# Altium PCB HIL_RIG_REV_1_2.PcbDoc (part 3 of 14)
Units mil, origin at the board's own origin, x right, y up, seen from the top; angles counter-clockwise.
Board outline 9845 x 7590 mil, 6 copper layers (Top Layer, Int1 (GND), Int2 (PWR), Int3 (Sign), Int4 (GND), Bottom Layer), stack 60.566 mil thick; 1465 components, 731 nets, 4058 pads, 3944 vias.
Unrouted connection lines stored in the file: 1754.
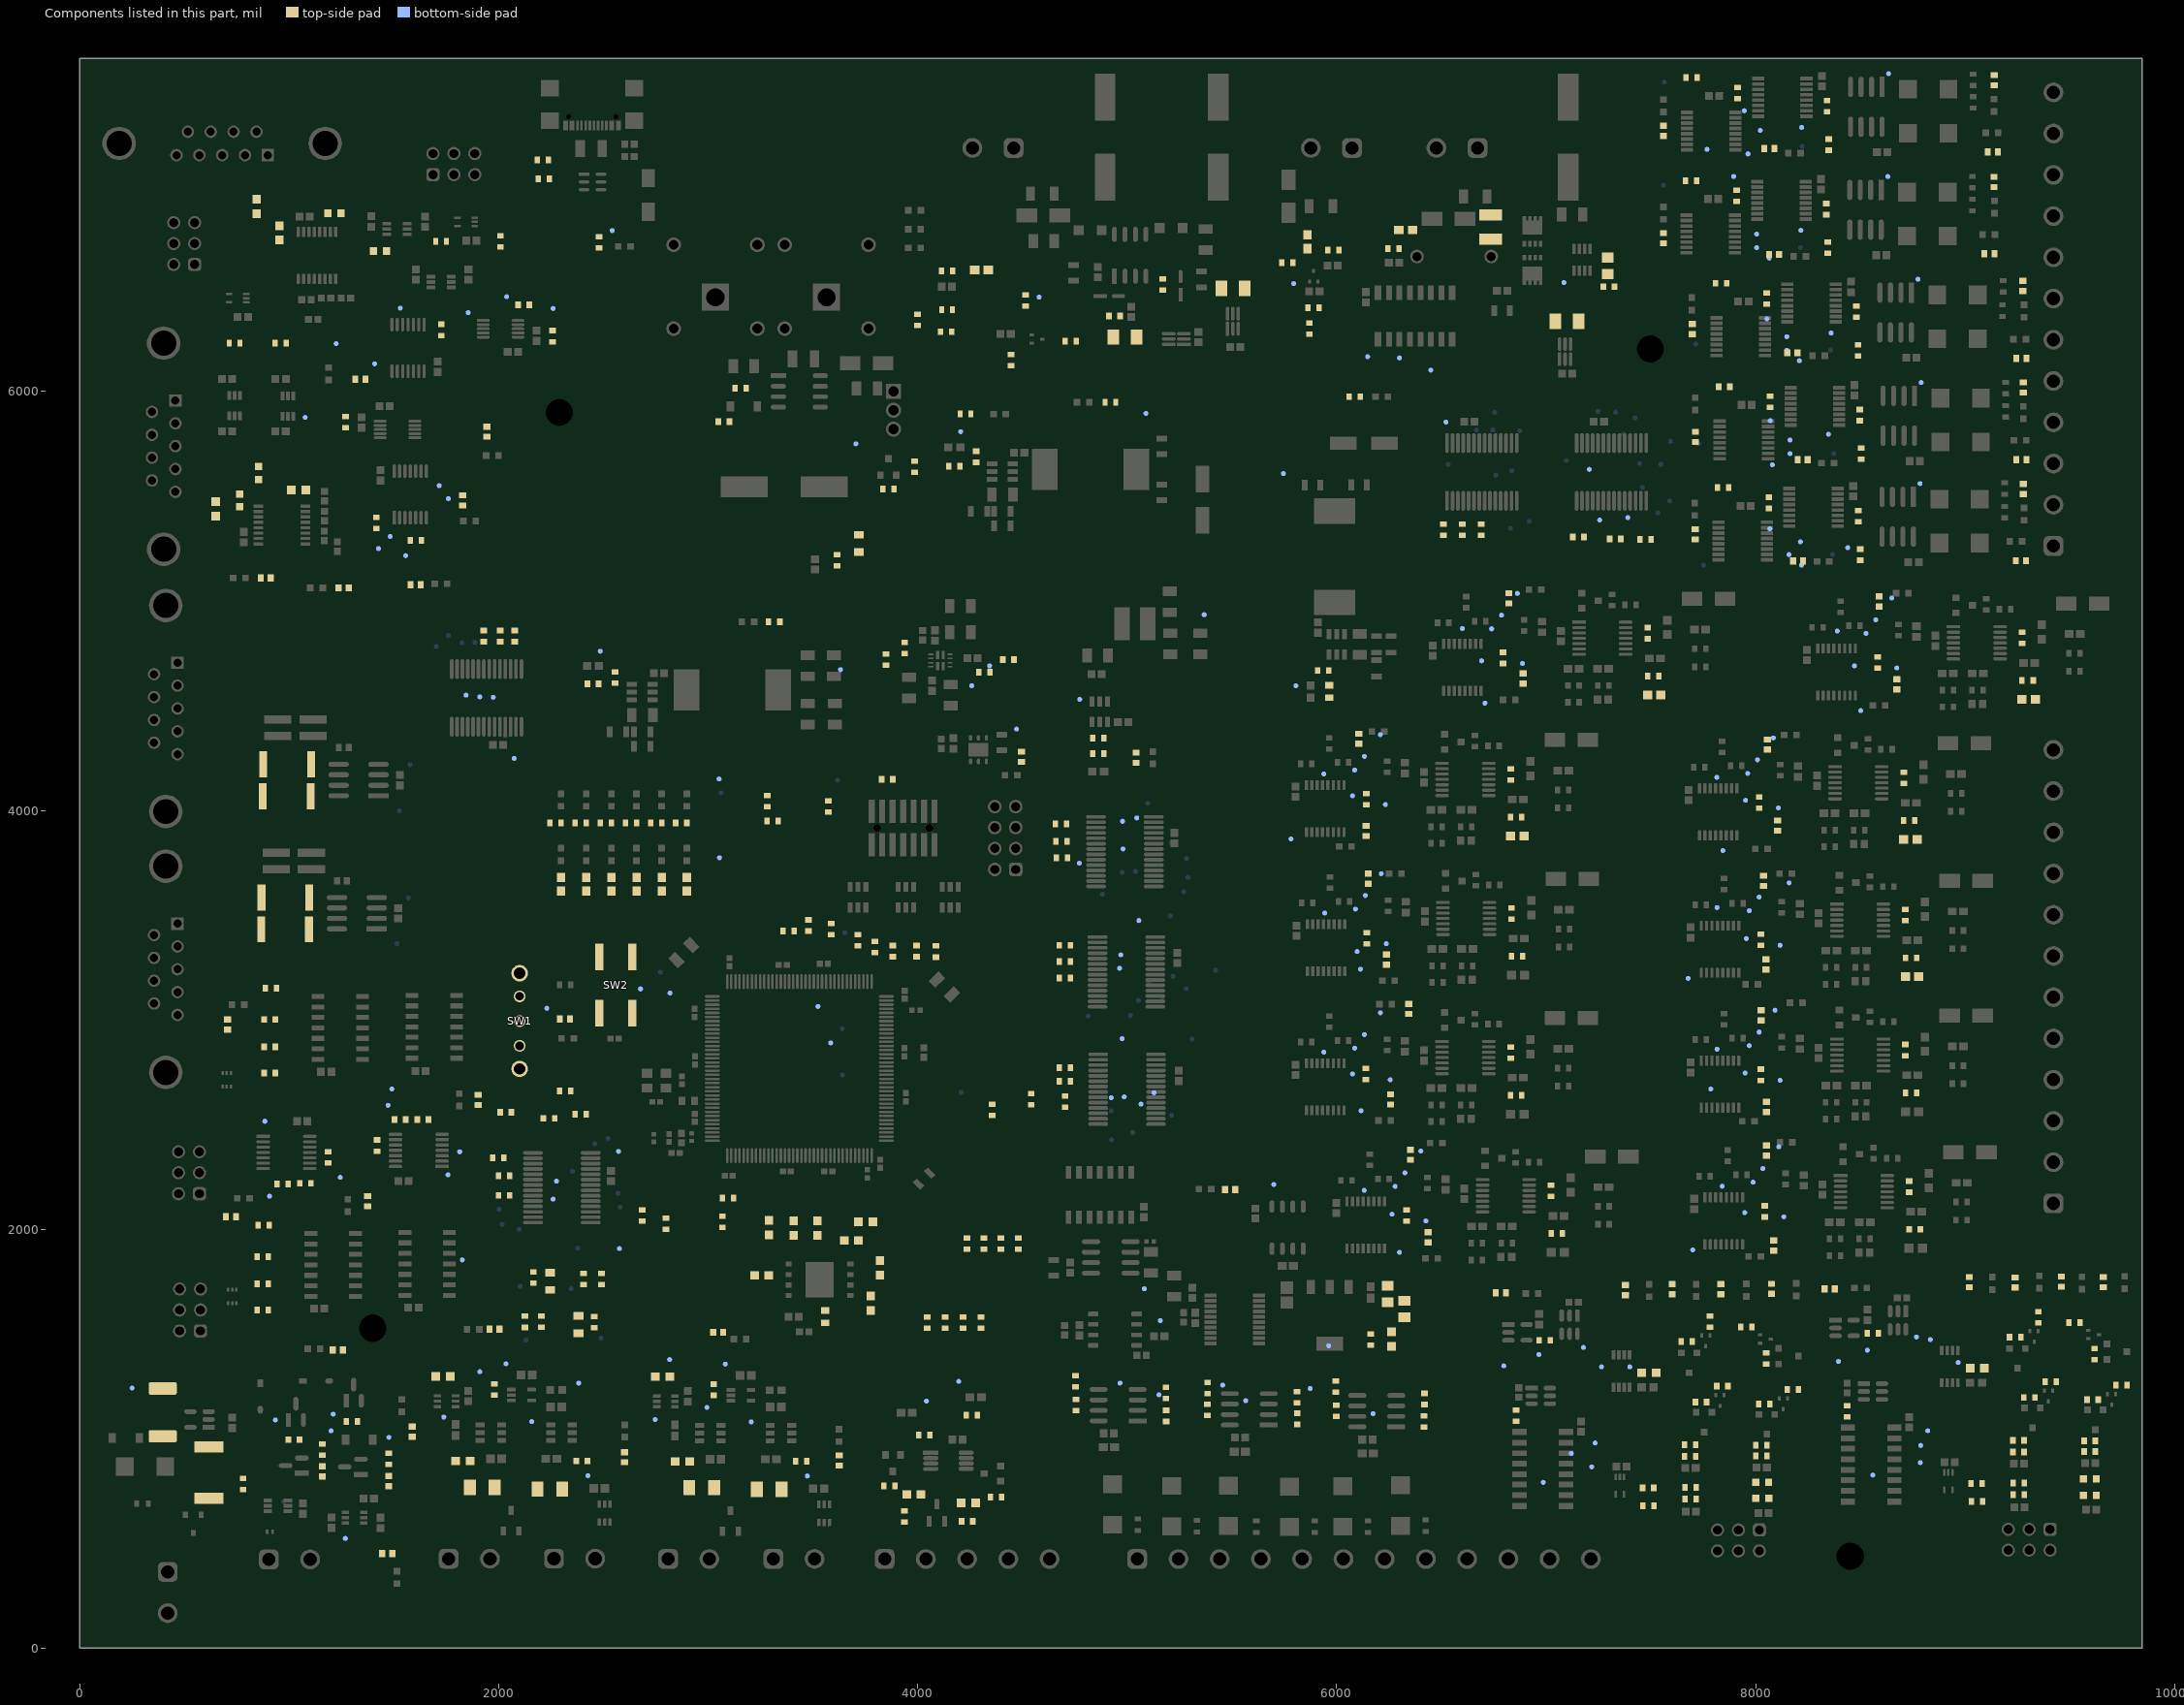
[diagram p7: the components of this part, seen from the top]

## Components (designator, comment, footprint, x,y, rotation, side; value= is the part's Value field where it differs from the comment) (continued)
R18F "TNPW060324K0BEEA" FP-TNPW0603-e3-IPC_A 8746.67,3205.79 r180 top value=24k (schematic designator R18)
R18G "TNPW060324K0BEEA" FP-TNPW0603-e3-IPC_A 6862.67,3877.79 r180 top value=24k (schematic designator R18)
R18H "TNPW060324K0BEEA" FP-TNPW0603-e3-IPC_A 8738.67,3861.79 r180 top value=24k (schematic designator R18)
R18I "TNPW060324K0BEEA" FP-TNPW0603-e3-IPC_A 7516.67,4551.79 r180 top value=24k (schematic designator R18)
R18J "TNPW060324K0BEEA" FP-TNPW0603-e3-IPC_A 9303.67,4529.79 r180 top value=24k (schematic designator R18)
R19A "RT0603BRD0710KL" FP-RT0603-IPC_C 7050.64,1979.79 r0 top value=10k (schematic designator R19)
R19B "RT0603BRD0710KL" FP-RT0603-IPC_C 8759.64,1999.79 r0 top value=10k (schematic designator R19)
R19C "RT0603BRD0710KL" FP-RT0603-IPC_C 6857.64,2639.79 r0 top value=10k (schematic designator R19)
R19D "RT0603BRD0710KL" FP-RT0603-IPC_C 8741.64,2651.79 r0 top value=10k (schematic designator R19)
R19E "RT0603BRD0710KL" FP-RT0603-IPC_C 6861.64,3303.79 r0 top value=10k (schematic designator R19)
R19F "RT0603BRD0710KL" FP-RT0603-IPC_C 8741.64,3295.79 r0 top value=10k (schematic designator R19)
R19G "RT0603BRD0710KL" FP-RT0603-IPC_C 6857.64,3967.79 r0 top value=10k (schematic designator R19)
R19H "RT0603BRD0710KL" FP-RT0603-IPC_C 8733.64,3951.79 r0 top value=10k (schematic designator R19)
R19I "RT0603BRD0710KL" FP-RT0603-IPC_C 7511.64,4641.79 r0 top value=10k (schematic designator R19)
R19J "RT0603BRD0710KL" FP-RT0603-IPC_C 9298.64,4619.79 r0 top value=10k (schematic designator R19)
R20A "RT0603BRD07160KL" FP-RT0603-IPC_C 7023.89,2183.79 r90 top value=160k (schematic designator R20)
R20B "RT0603BRD07160KL" FP-RT0603-IPC_C 8732.89,2203.79 r90 top value=160k (schematic designator R20)
R20C "RT0603BRD07160KL" FP-RT0603-IPC_C 6830.89,2843.79 r90 top value=160k (schematic designator R20)
R20D "RT0603BRD07160KL" FP-RT0603-IPC_C 8714.89,2855.79 r90 top value=160k (schematic designator R20)
R20E "RT0603BRD07160KL" FP-RT0603-IPC_C 6834.89,3507.79 r90 top value=160k (schematic designator R20)
R20F "RT0603BRD07160KL" FP-RT0603-IPC_C 8714.89,3499.79 r90 top value=160k (schematic designator R20)
R20G "RT0603BRD07160KL" FP-RT0603-IPC_C 6830.89,4171.79 r90 top value=160k (schematic designator R20)
R20H "RT0603BRD07160KL" FP-RT0603-IPC_C 8706.89,4155.79 r90 top value=160k (schematic designator R20)
R20I "RT0603BRD07160KL" FP-RT0603-IPC_C 7484.89,4845.79 r90 top value=160k (schematic designator R20)
R20J "RT0603BRD07160KL" FP-RT0603-IPC_C 9271.89,4823.79 r90 top value=160k (schematic designator R20)
R21A "RT0603BRD0710KL" FP-RT0603-IPC_C 6333.89,2065.79 r90 top value=10k (schematic designator R21)
R21B "RT0603BRD0710KL" FP-RT0603-IPC_C 8042.89,2085.79 r90 top value=10k (schematic designator R21)
R21C "RT0603BRD0710KL" FP-RT0603-IPC_C 6140,2742 r90 top value=10k (schematic designator R21)
R21D "RT0603BRD0710KL" FP-RT0603-IPC_C 8024.89,2737.79 r90 top value=10k (schematic designator R21)
R21E "RT0603BRD0710KL" FP-RT0603-IPC_C 6144.89,3389.79 r90 top value=10k (schematic designator R21)
R21F "RT0603BRD0710KL" FP-RT0603-IPC_C 8024.89,3381.79 r90 top value=10k (schematic designator R21)
R21G "RT0603BRD0710KL" FP-RT0603-IPC_C 6140.89,4053.79 r90 top value=10k (schematic designator R21)
R21H "RT0603BRD0710KL" FP-RT0603-IPC_C 8016.89,4037.79 r90 top value=10k (schematic designator R21)
R21I "RT0603BRD0710KL" FP-RT0603-IPC_C 6794.89,4727.79 r90 top value=10k (schematic designator R21)
R21J "RT0603BRD0710KL" FP-RT0603-IPC_C 8581.89,4705.79 r90 top value=10k (schematic designator R21)
R22 "AC0603FR-07100KL" FP-AC0603-IPC_C#1 3155,6015 r0 top value=100k
R23 "RT0603BRD07100RL" FP-RT0603-IPC_C 3985,5640 r90 top value=100
R24 "AC0603FR-07100KL" FP-AC0603-IPC_C#1 3075,5856.64 r0 top value=100k
R25 "RT0603BRD0710KL" FP-RT0603-IPC_C 3860,5535 r0 top value=10k
R26 "RT0603BRD0716K2L" FP-RT0603-IPC_C 3848,4720 r90 top value=16.2k
R27 "RT0603BRD0710KL" FP-RT0603-IPC_C 4433.22,4720.25 r0 top value=10k
R28 "AC0603FR-075K1L" FP-AC0603-IPC_C#1 3938.22,4775.25 r270 top value=5.1k
R29 "RT0805BRD07150KL" FP-RT0805-MFG 3720,5275 r90 top value=150k
R30 "AC0603FR-0744K2L" FP-AC0603-IPC_C#1 4318.22,4660.25 r180 top value=44.2k
R31 "RT0603BRD0710KL" FP-RT0603-IPC_C 3616,5194 r90 top value=10k
R32A "RT0603BRD0710KL" FP-RT0603-IPC_C 8063.32,5468.08 r90 top value=10k (schematic designator R32)
R32B "RT0603BRD0710KL" FP-RT0603-IPC_C 8068.5,5950.27 r90 top value=10k (schematic designator R32)
R32C "RT0603BRD0710KL" FP-RT0603-IPC_C 8053.33,6443.62 r90 top value=10k (schematic designator R32)
R32D "RT0603BRD0710KL" FP-RT0603-IPC_C 7909.33,6933.62 r90 top value=10k (schematic designator R32)
R32E "RT0603BRD0710KL" FP-RT0603-IPC_C 7913.22,7425.08 r90 top value=10k (schematic designator R32)
R33 "RC0603FR-0712KL" RESC1608X55X25LL10T15 4228.28,5893.03 r0 top value=12k
R34A "RT0603BRD0710KL" FP-RT0603-IPC_C 8491.11,5404.75 r270 top value=10k (schematic designator R34)
R34B "RT0603BRD0710KL" FP-RT0603-IPC_C 8496.3,5886.94 r270 top value=10k (schematic designator R34)
R34C "RT0603BRD0710KL" FP-RT0603-IPC_C 8481.13,6380.3 r270 top value=10k (schematic designator R34)
R34D "RT0603BRD0710KL" FP-RT0603-IPC_C 8337.13,6870.3 r270 top value=10k (schematic designator R34)
R34E "RT0603BRD0710KL" FP-RT0603-IPC_C 8341.01,7361.75 r270 top value=10k (schematic designator R34)
R35A "RT0603BRD0710KL" FP-RT0603-IPC_C 7845.3,5541.01 r0 top value=10k (schematic designator R35)
R35B "RT0603BRD0710KL" FP-RT0603-IPC_C 7850.49,6023.2 r0 top value=10k (schematic designator R35)
R35C "RT0603BRD0710KL" FP-RT0603-IPC_C 7835.32,6516.55 r0 top value=10k (schematic designator R35)
R35D "RT0603BRD0710KL" FP-RT0603-IPC_C 7691.32,7006.55 r0 top value=10k (schematic designator R35)
R35E "RT0603BRD0710KL" FP-RT0603-IPC_C 7695.21,7498.01 r0 top value=10k (schematic designator R35)
R36 "AC0603FR-0733RL" FP-AC0603-IPC_C#2 4088,3326 r90 top value=33
R37A "RT0603BRD0710KL" FP-RT0603-IPC_C 8499.14,5220.88 r90 top value=10k (schematic designator R37)
R37B "RT0603BRD0710KL" FP-RT0603-IPC_C 8504.33,5703.07 r90 top value=10k (schematic designator R37)
R37C "RT0603BRD0710KL" FP-RT0603-IPC_C 8489.16,6196.43 r90 top value=10k (schematic designator R37)
R37D "RT0603BRD0710KL" FP-RT0603-IPC_C 8345.16,6686.43 r90 top value=10k (schematic designator R37)
R37E "RT0603BRD0710KL" FP-RT0603-IPC_C 8349.05,7177.88 r90 top value=10k (schematic designator R37)
R38A "RT0603BRD0710KL" FP-RT0603-IPC_C 1979,1235.64 r90 top value=10k (schematic designator R38)
R38B "RT0603BRD0710KL" FP-RT0603-IPC_C 3026.26,1234.16 r90 top value=10k (schematic designator R38)
R39A "RT0603BRD0710KL" FP-RT0603-IPC_A 1734.96,1297.94 r180 top value=10k (schematic designator R39)
R39B "RT0603BRD0710KL" FP-RT0603-IPC_A 2782.22,1296.46 r180 top value=10k (schematic designator R39)
R40A "ESR18EZPF1002" FP-ESR18-IPC_A 1921.52,768 r180 top value=10k (schematic designator R40)
R40B "ESR18EZPF1002" FP-ESR18-IPC_A 2968.78,766.52 r180 top value=10k (schematic designator R40)
R41A "RT0603BRD0710KL" FP-RT0603-IPC_A 1829.48,894 r180 top value=10k (schematic designator R41)
R41B "RT0603BRD0710KL" FP-RT0603-IPC_A 2876.75,892.52 r180 top value=10k (schematic designator R41)
R42A "ESR18EZPF1002" FP-ESR18-IPC_A 2244.42,760 r0 top value=10k (schematic designator R42)
R42B "ESR18EZPF1002" FP-ESR18-IPC_A 3291.68,758.52 r0 top value=10k (schematic designator R42)
R43A "RT0603BRD071K5L" FP-RT0603-IPC_C 2397.05,894 r0 top value=1.5k (schematic designator R43)
R43B "RT0603BRD071K5L" FP-RT0603-IPC_C 3444.31,892.52 r0 top value=1.5k (schematic designator R43)
R44 "AC0603FR-07100KL" FP-AC0603-IPC_C#1 1022.64,996 r0 top value=100k
R45 "HOCR2512-2W-470R-5%" RESC6432X95N 396,1126 r90 top
R46 "CRGP0603F1M0" FP-CRGP0603-IPC_C 1158,844 r270 top value=1M
R47 "RT0603BRD0710KL" FP-RT0603-IPC_C 1158,948 r90 top value=10k
R48 "CRGP2512F100R" FP-CRGP2512-IPC_A 616,838.13 r270 top value=100
R49 "AC0603FR-07100KL" FP-AC0603-IPC_C#1 1298.64,1082 r0 top value=100k
R50 "CRGP0603F1M0" FP-CRGP0603-IPC_C 1476,798 r270 top value=1M
R51 "RT0603BRD0710KL" FP-RT0603-IPC_C 1476,904 r90 top value=10k
R52 "RT0603BRD0710KL" FP-RT0603-IPC_C 780,784 r270 top value=10k
R53 "RT0603BRE07100KL" FP-RT0603-IPC_C 3937,628.68 r90 top value=100k
R54 "RT0603BRE07100KL" FP-RT0603-IPC_C 3865.36,775.43 r0 top value=100k
R55 "RT0603BRD07100RL" FP-RT0603-IPC_C 4032,1018.68 r180 top value=100
R56 "RT0603BRD0711K8L" FP-RT0603-IPC_A 3982,733.68 r180 top value=11.8k
R57 "RT0603BRE07100KL" FP-RT0603-IPC_C 4236.64,606 r0 top value=100k
R58 "RT0603BRE07100KL" FP-RT0603-IPC_C 4374,722 r180 top value=100k
R59 "RT0603BRD07100RL" FP-RT0603-IPC_C 4258.64,1112 r180 top value=100
R60 "RT0603BRD0711K8L" FP-RT0603-IPC_A 4242,693.68 r0 top value=11.8k
R61 "AC0603FR-0733RL" FP-AC0603-IPC_C#2 3882,3328 r90 top value=33
R62 "RT0603BRE0730KL" FP-RT0603-IPC_C 5186,1109.36 r270 top value=30k
R63 "RT0603BRE0730KL" FP-RT0603-IPC_C 4756,1162 r270 top value=30k
R64 "RT0603BRD0710KL" FP-RT0603-IPC_C 5185,1218.36 r270 top value=10k
R65 "RT0603BRD0710KL" FP-RT0603-IPC_C 4754,1274 r270 top value=10k
R66 "AC0603FR-0733RL" FP-AC0603-IPC_C#2 3796,3348 r90 top value=33
R67 "RT0603DRD0720KL" FP-RT0603-IPC_C 6162,1474 r90 top value=20k
R68 "RT0805BRD071ML" RESC2013X60X35ML10T20 6244,1691.55 r270 top value=1M
R69 "RT0805BRD071ML" RESC2013X60X35ML10T20 6324,1619.55 r270 top value=1M
R70 "AC0603FR-0733RL" FP-AC0603-IPC_C#2 3994,3328 r90 top value=33
R71 "AT0603BRD07200KL" FP-AT0603-IPC_A 6262,1476 r90 top value=200k
R72 "RT0603BRE0730KL" FP-RT0603-IPC_C 5812,1095.36 r270 top value=30k
R73 "RT0603BRE0730KL" FP-RT0603-IPC_C 5382,1138 r270 top value=30k
R74 "RT0603BRD0710KL" FP-RT0603-IPC_C 5811,1198.64 r270 top value=10k
R75 "RT0603BRD0710KL" FP-RT0603-IPC_C 5384,1242 r270 top value=10k
R76 "AC0603FR-0733RL" FP-AC0603-IPC_C#2 3714,3379.36 r90 top value=33
R77 "Resistor 0R +/- 5% 0603 100 mW" RESC1608X55X25ML10T15 3557.52,1582.61 r270 top value=0
R78 "RT0603BRE0730KL" FP-RT0603-IPC_C 6418,1082 r270 top value=30k
R79 "RT0603BRE0730KL" FP-RT0603-IPC_C 5998,1134 r270 top value=30k
R80 "RT0603BRD0710KL" FP-RT0603-IPC_C 6420,1190 r270 top value=10k
R81 "RT0603BRD0710KL" FP-RT0603-IPC_C 5996,1248.64 r270 top value=10k
R82 "RT0603BRD072K2L" FP-RT0603-IPC_C 4542,2622 r270 top value=2.2k
R83A "AC2512FK-0756RL" FP-AC2512-IPC_C 980.53,3432 r180 top value=56 (schematic designator R83)
R83B "AC2512FK-0756RL" FP-AC2512-IPC_C 988.53,4068 r180 top value=56 (schematic designator R83)
R84A "AC2512FK-0756RL" FP-AC2512-IPC_C 982.15,3584 r180 top value=56 (schematic designator R84)
R84B "AC2512FK-0756RL" FP-AC2512-IPC_C 990.15,4220 r180 top value=56 (schematic designator R84)
R85A "RT0603BRD0710KL" FP-RT0603-IPC_C 1638,2524 r0 top value=10k (schematic designator R85)
R85B "RT0603BRD0710KL" FP-RT0603-IPC_C 968,2216.98 r180 top value=10k (schematic designator R85)
R86A "RT0603BRD0710KL" FP-RT0603-IPC_C 1529.36,2524 r180 top value=10k (schematic designator R86)
R86B "RT0603BRD0710KL" FP-RT0603-IPC_C 1076.64,2220 r0 top value=10k (schematic designator R86)
R87A "RT0603BRD0710KL" FP-RT0603-IPC_C 1420,2400 r90 top value=10k (schematic designator R87)
R87B "RT0603BRD0710KL" FP-RT0603-IPC_C 1186,2344 r270 top value=10k (schematic designator R87)
R88A "AC0603FR-0733RL" FP-AC0603-IPC_C#2 907,2746.72 r180 top value=33 (schematic designator R88)
R88B "AC0603FR-0733RL" FP-AC0603-IPC_C#2 873.67,1615.04 r180 top value=33 (schematic designator R88)
R89A "AC0603FR-0733RL" FP-AC0603-IPC_C#2 907,2871.72 r180 top value=33 (schematic designator R89)
R89B "AC0603FR-0733RL" FP-AC0603-IPC_C#2 873.67,1740.04 r180 top value=33 (schematic designator R89)
R90A "AC0603FR-0733RL" FP-AC0603-IPC_C#2 912,3151.72 r180 top value=33 (schematic designator R90)
R90B "AC0603FR-0733RL" FP-AC0603-IPC_C#2 878.67,2020.04 r180 top value=33 (schematic designator R90)
R91A "AC0603FR-0733RL" FP-AC0603-IPC_C#2 907,3001.72 r180 top value=33 (schematic designator R91)
R91B "AC0603FR-0733RL" FP-AC0603-IPC_C#2 873.67,1870.04 r180 top value=33 (schematic designator R91)
R92A "RT0603BRD0710KL" FP-RT0603-IPC_C 2257.14,6263.91 r270 top value=10k (schematic designator R92)
R92B "RT0603BRD0710KL" FP-RT0603-IPC_C 1269.36,5853.09 r90 top value=10k (schematic designator R92)
R93A "RT0603BRD0710KL" FP-RT0603-IPC_C 2119.36,6414 r0 top value=10k (schematic designator R93)
R93B "RT0603BRD0710KL" FP-RT0603-IPC_C 1604.64,5288 r0 top value=10k (schematic designator R93)
R94A "RT0603BRD0710KL" FP-RT0603-IPC_C 1726,6294 r270 top value=10k (schematic designator R94)
R94B "RT0603BRD0710KL" FP-RT0603-IPC_C 1416,5372 r270 top value=10k (schematic designator R94)
R95 "RT0603BRD0710KL" FP-RT0603-IPC_C 3478,3450.64 r90 top value=10k
R96A "AC0603FR-0733RL" FP-AC0603-IPC_C#2 2008.5,6717 r90 top value=33 (schematic designator R96)
R96B "AC0603FR-0733RL" FP-AC0603-IPC_C#2 959,6230 r180 top value=33 (schematic designator R96)
R97 "RT0603BRD072K2L" FP-RT0603-IPC_C 4356,2570 r270 top value=2.2k
R98A "RC0603JR-07330RL" RESC1608X55X25LL10T15 1724.5,6717 r0 top value=330 (schematic designator R98)
R98B "RC0603JR-07330RL" RESC1608X55X25LL10T15 739,6230 r180 top value=330 (schematic designator R98)
R99 "RT0603BRD0710KL" FP-RT0603-IPC_C 3308,3950 r0 top value=10k
R100A "RT0603BRD0710KL" FP-RT0603-IPC_B#1 1215.92,6851 r180 top value=10k (schematic designator R100)
R100B "RT0603BRD0710KL" FP-RT0603-IPC_B#1 764,5480 r270 top value=10k (schematic designator R100)
R101A "RT0603BRD07100RL" FP-RT0603-IPC_B#1 1433.42,6670 r180 top value=100 (schematic designator R101)
R101B "RT0603BRD07100RL" FP-RT0603-IPC_B#1 854,5610.58 r270 top value=100 (schematic designator R101)
R102A "RC0603JR-0722RL" FP-RC0603-0_55-IPC_A 844.5,6883 r90 top value=22 (schematic designator R102)
R102B "RC0603JR-0722RL" FP-RC0603-0_55-IPC_A 649,5440 r90 top value=22 (schematic designator R102)
R103A "RC0603JR-0722RL" FP-RC0603-0_55-IPC_A 952.5,6757 r90 top value=22 (schematic designator R103)
R103B "RC0603JR-0722RL" FP-RC0603-0_55-IPC_A 1044.48,5529.52 r180 top value=22 (schematic designator R103)
R104 "RC0603JR-0722RL" FP-RC0603-0_55-IPC_A 3522,2006 r270 top value=22
R105 "RC0603JR-0722RL" FP-RC0603-0_55-IPC_A 3408,2006 r270 top value=22
R106 "RC0603JR-0722RL" FP-RC0603-0_55-IPC_A 3820,1816 r270 top value=22
R107 "RC0603JR-0722RL" FP-RC0603-0_55-IPC_A 3752.52,2036 r180 top value=22
R108 "RC0603JR-0722RL" FP-RC0603-0_55-IPC_A 3290,2008 r270 top value=22
R109 "AC0603DR-0747KL" FP-AC0603-IPC_A 3683.48,1946 r0 top value=47k
R110 "AC0603DR-0747KL" FP-AC0603-IPC_A 3255.48,1780 r0 top value=47k
R111 "RT0603BRD0710KL" FP-RT0603-IPC_A 3776,1647.48 r270 top value=10k
R112 "RT0603BRD071K5L" FP-RT0603-IPC_C 2480,6712.56 r270 top value=1.5k
R113 "AC0603FR-075K1L" FP-AC0603-IPC_C#1 2211,7105.56 r0 top value=5.1k
R114 "AC0603FR-075K1L" FP-AC0603-IPC_C#1 2216,7015.56 r0 top value=5.1k
R115 "AC0603FR-07100KL" FP-AC0603-IPC_C#1 4175,5643 r180 top value=100k
R116 "RC0603FR-0712KL" RESC1608X55X25LL10T15 4920,5948 r180 top value=12k
R117 "AC0603FR-073K48L" FP-AC0603-IPC_C#1 4280,5688 r270 top value=3.48k
R118 "WSL1206R0200FEA" RESC3216X89X51NL25T25 4990,6260 r180 top value=20m
R119 "AC0603FR-07100KL" FP-AC0603-IPC_C#1 4940,6360 r180 top value=100k
R120 "RT0603BRD0710KL" FP-RT0603-IPC_C 4730.47,6240 r180 top value=10k
R121 "RT0603BRD0710KL" FP-RT0603-IPC_C 4445,6150 r270 top value=10k
R122 "CRGCQ0603F150K" FP-CRGCQ0603-IPC_A 4305,6580 r0 top value=150k
R123 "AC0603FR-07100KL" FP-AC0603-IPC_C#1 4515,6435 r270 top value=100k
R124 "RT0603BRD0710KL" FP-RT0603-IPC_C 4140,6575 r180 top value=10k
R125 "RC0603FR-0712KL" RESC1608X55X25LL10T15 4140,6390 r180 top value=12k
R126 "RC0603FR-0748K7L" RESC1608X55X25ML10T15 5965.47,4567.6 r270 top value=48.7k
R127 "RT0603FRE075K6L" FP-RT0603-IPC_C 6085.47,5975 r0 top value=5.6k
R128 "AC0603FR-073K48L" FP-AC0603-IPC_C#1 5935.47,4667.6 r0 top value=3.48k
R129 "WSL1206R0200FEA" RESC3216X89X51NL25T25 5505.87,6492.56 r180 top value=20m
R130 "AC0603FR-07100KL" FP-AC0603-IPC_C#1 5170,6510 r270 top value=100k
R131 "RT0603BRD0710KL" FP-RT0603-IPC_C 5765,6615 r0 top value=10k
R132 "RT0603BRD0710KL" FP-RT0603-IPC_C 5870,6300 r270 top value=10k
R133 "CRGCQ0603F150K" FP-CRGCQ0603-IPC_A 5860,6715 r90 top value=150k
R134 "AC0603FR-07100KL" FP-AC0603-IPC_C#1 5890,6400 r180 top value=100k
R135 "RT0603BRD0710KL" FP-RT0603-IPC_C 5984.53,6675 r0 top value=10k
R136 "RT0603FRE075K6L" FP-RT0603-IPC_C 4135,6285 r180 top value=5.6k
R137 "AC0603FR-07100KL" FP-AC0603-IPC_C#1 2450.39,4605 r180 top value=100k
R138 "RT0603BRD071K5L" FP-RT0603-IPC_C 3315.39,4900 r180 top value=1.5k
R139 "RT0603BRD0719K1L" FP-RT0603-IPC_C 2555.39,4633.36 r270 top value=19.1k
R140 "WSL1206R0200FEA" RESC3216X89X51NL25T25 7100,6335 r180 top value=20m
R141 "AC1210FR-071KL" RESC3126X60X50ML10T20 6735,6785 r90 top value=1k
R142 "RT0805BRD071ML" RESC2013X60X35ML10T20 7294,6600 r270 top value=1M
R143 "CRGCQ0603F150K" FP-CRGCQ0603-IPC_A 6330,6770 r0 top value=150k
R144 "RT0603BRE07100KL" FP-RT0603-IPC_C 7300,6500 r0 top value=100k
R145 "RT0603BRD0710KL" FP-RT0603-IPC_C 6271.36,6682 r180 top value=10k
R146 "RT0603BRD071K5L" FP-RT0603-IPC_C 4000,6342.44 r90 top value=1.5k
R147 "CRCW0603680RJNEA" FP-CRCW0603-e3-IPC_C 4496,4256 r270 top value=680
R148 "RT0603BRD0733K2L" FP-RT0603-IPC_C 4861.48,4270.4 r0 top value=33.2k
R149 "CRCW0603680RJNEA" FP-CRCW0603-e3-IPC_C 5042.9,4251.19 r270 top value=680
R150 "RT0603BRD0710KL" FP-RT0603-IPC_C 4861.48,4345.4 r0 top value=10k
R151A "AC0603FR-07100KL" FP-AC0603-IPC_C#1 6857.35,1109.96 r90 top value=100k (schematic designator R151)
R151B "AC0603FR-07100KL" FP-AC0603-IPC_C#1 8436.76,1130.96 r90 top value=100k (schematic designator R151)
R152A "AC0603FR-07100KL" FP-AC0603-IPC_C#1 6992.64,1470 r180 top value=100k (schematic designator R152)
R152B "AC0603FR-07100KL" FP-AC0603-IPC_C#1 8560.25,1502.81 r180 top value=100k (schematic designator R152)
R153A "AT0603BRD07200KL" FP-AT0603-IPC_A 7490.52,1316 r180 top value=200k (schematic designator R153)
R153B "AT0603BRD07200KL" FP-AT0603-IPC_A 9058.12,1337 r180 top value=200k (schematic designator R153)
R154 "RT0603BRD072K2L" FP-RT0603-IPC_C 4302,1554 r90 top value=2.2k
R155 "RT0603BRD072K2L" FP-RT0603-IPC_C 4046,1554 r90 top value=2.2k
R156 "AC0603FR-0733RL" FP-AC0603-IPC_C#2 4216,1554 r90 top value=33
R157A "AC0603FR-0733RL" FP-AC0603-IPC_C#2 7487.36,766 r0 top value=33 (schematic designator R157)
R157B "AC0603FR-0733RL" FP-AC0603-IPC_C#2 9054.96,787 r0 top value=33 (schematic designator R157)
R158 "AC0603FR-0733RL" FP-AC0603-IPC_C#2 4132,1554 r90 top value=33
R159A "AC0603FR-0733RL" FP-AC0603-IPC_C#2 7488.64,680 r0 top value=33 (schematic designator R159)
R159B "AC0603FR-0733RL" FP-AC0603-IPC_C#2 9056.25,701 r0 top value=33 (schematic designator R159)
R160A "AC0603FR-07100KL" FP-AC0603-IPC_C#1 8041.36,1166 r180 top value=100k (schematic designator R160)
R160B "AC0603FR-07100KL" FP-AC0603-IPC_C#1 9608.96,1187 r180 top value=100k (schematic designator R160)
R161A "AC0603FR-07100KL" FP-AC0603-IPC_C#1 7671.36,1464 r180 top value=100k (schematic designator R161)
R161B "AC0603FR-07100KL" FP-AC0603-IPC_C#1 9238.96,1485 r180 top value=100k (schematic designator R161)
R162A "RT0603BRD0710KL" FP-RT0603-IPC_C 8178.64,1236 r0 top value=10k (schematic designator R162)
R162B "RT0603BRD0710KL" FP-RT0603-IPC_C 9746.25,1257 r0 top value=10k (schematic designator R162)
R163A "RT0603BRD0710KL" FP-RT0603-IPC_C 7782,1558.64 r90 top value=10k (schematic designator R163)
R163B "RT0603BRD0710KL" FP-RT0603-IPC_C 9349.6,1579.64 r90 top value=10k (schematic designator R163)
R164A "RT0603BRD072K2L" FP-RT0603-IPC_C 8027.36,970 r0 top value=2.2k (schematic designator R164)
R164B "RT0603BRD072K2L" FP-RT0603-IPC_C 9594.96,991 r0 top value=2.2k (schematic designator R164)
R165A "RT0603BRD072K2L" FP-RT0603-IPC_C 8027.36,918 r0 top value=2.2k (schematic designator R165)
R165B "RT0603BRD072K2L" FP-RT0603-IPC_C 9594.96,939 r0 top value=2.2k (schematic designator R165)
R166A "RT0603BRD0710KL" FP-RT0603-IPC_C 7687.36,972 r180 top value=10k (schematic designator R166)
R166B "RT0603BRD0710KL" FP-RT0603-IPC_C 9254.96,993 r180 top value=10k (schematic designator R166)
R167A "RT0603BRD0710KL" FP-RT0603-IPC_C 7687.36,916 r180 top value=10k (schematic designator R167)
R167B "RT0603BRD0710KL" FP-RT0603-IPC_C 9254.96,937 r180 top value=10k (schematic designator R167)